# Altium PCB PCB_v4.PcbDoc (part 2 of 7) (continued)
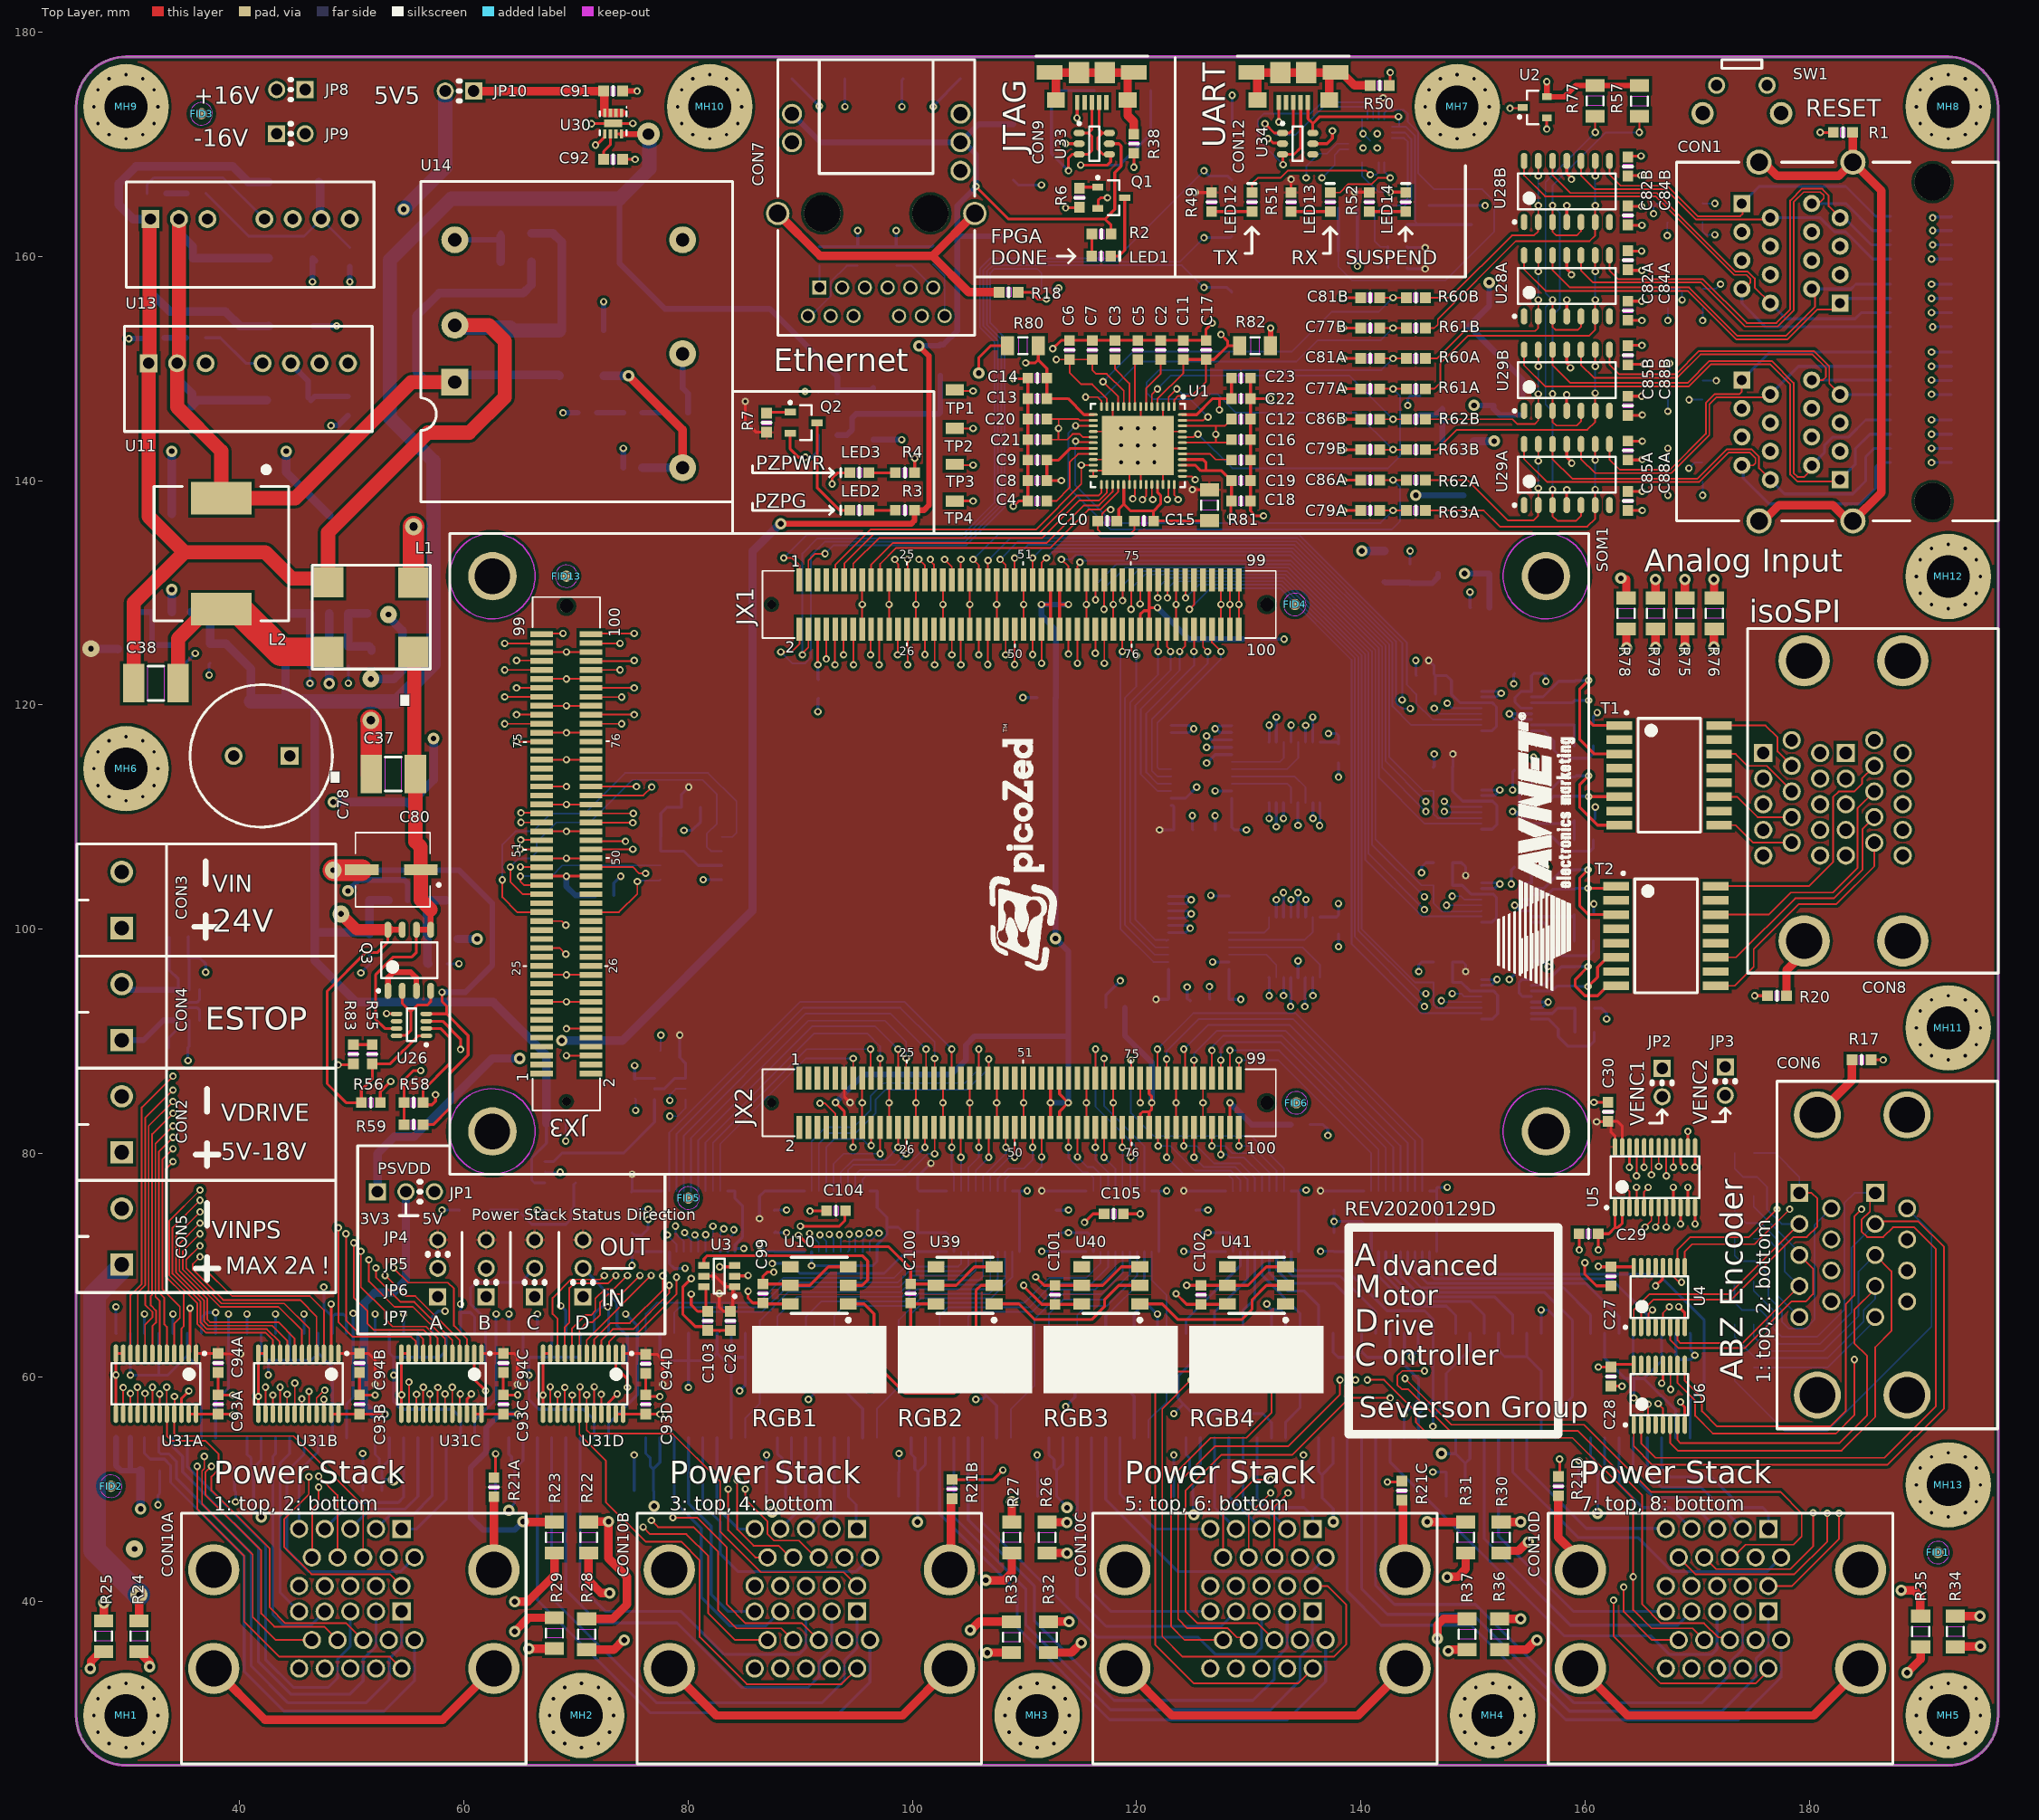
[diagram p0: Top Layer view]
## Part data
C1 C51 C52 C53 C54 C55 C56 C61 C62 C63 C64: Supplier Part Number 1=1276-1192-6-ND, Supplier 1=Digi-Key
C2 C3 C4 C8 C13 C18 C22 C83 C87 C89 C90 C104 C105 C106: Supplier Part Number 1=1276-1119-6-ND, Supplier 1=Digi-Key
C5 C26 C43 C45 C57 C58 C59 C60 C66 C67 C69 C70 C72A C72B C72C C72D C72E C72F C75A C75B C75C C75D C75E C75F C82A C82B C84A C84B C85A C85B C88A C88B C91 C103: Supplier Part Number 1=1276-6524-6-ND, Supplier 1=Digi-Key
C6 C7 C9 C10 C11 C12 C14 C15 C16 C17 C19 C20 C21 C23 C24 C25 C27 C28 C29 C30 C31 C32 C33 C34 C65 C68 C71A C71B C71C C71D C71E C71F C73A C73B C73C C73D C73E C73F C74A C74B C74C C74D C74E C74F C76A C76B C76C C76D C76E C76F C92 C93A C93B C93C C93D C93E C93F C94A C94B C94C C94D C94E C94F C95 C96 C97A C97B C97C C97D C98A C98B C98C C98D C99 C100 C101 C102 C107: Supplier Part Number 1=1276-1012-6-ND, Supplier 1=Digi-Key
C35 C36 C41 C42 C47 C48: Supplier Part Number 1=709-1046-6-ND, Supplier 1=Digi-Key
C37 C38 C40 C46 C49: Supplier Part Number 1=445-3919-6-ND, Supplier 1=Digi-Key
C39 C44 C50: Supplier Part Number 1=445-9015-6-ND, Supplier 1=Digi-Key
C77A C77B C79A C79B C81A C81B C86A C86B: Supplier Part Number 1=478-1548-6-ND, Supplier 1=Digi-Key
C78: "Polarized Capacitor (Radial)", Supplier Part Number 1=493-12786-1-ND, Supplier 1=Digi-Key
C80: "Polarized Capacitor (Radial)", Supplier Part Number 1=493-2203-6-ND, Supplier 1=Digi-Key
CON1: "CONN MOD JACK 8P8C R/A SHIELDED", Supplier Part Number 1=RJSAE538004-ND, Supplier 1=Digi-Key
CON2 CON3 CON4 CON5: Supplier Part Number 1=277-1667-ND, Supplier 1=Digi-Key
CON6: "CONN D-SUB RCPT 9POS R/A SLDR", Supplier Part Number 1=L17H2220131-ND, Supplier 1=Digi-Key
CON7: Supplier Part Number 1=380-1110-ND, Supplier 1=Digi-Key
CON8 CON10A CON10B CON10C CON10D: "CONN D-SUB RCPT/RCPT 15/15POS RA", Supplier Part Number 1=NOR1832-ND, Supplier 1=Digi-Key
CON9 CON12: "CONN RCPT MICRO USB TYPE AB", Supplier Part Number 1=A97799TR-ND, Supplier 1=Digi-Key
CON11: "MOD PROGRAMMING JTAG-SMT2-NC", Supplier Part Number 1=1286-1192-ND, Supplier 1=Digi-Key
JP1 JP4 JP5 JP6 JP7: Supplier Part Number 1=732-5316-ND, Supplier 1=Digi-Key
JP2 JP3 JP8 JP9 JP10: Supplier Part Number 1=732-5315-ND, Supplier 1=Digi-Key
L1: "CMC 450UH 6.5A 2LN TH", Supplier Part Number 1=732-2215-6-ND, Supplier 1=Digi-Key
L2: "FIXED IND 220UH 1.8A 300 MOHM", Supplier Part Number 1=732-1696-1-ND, Supplier 1=Digi-Key
LED1 LED14: Supplier Part Number 1=160-1448-6-ND, Supplier 1=Digi-Key
LED2 LED12: Supplier Part Number 1=160-1447-6-ND, Supplier 1=Digi-Key
LED3 LED13: Supplier Part Number 1=160-1446-6-ND, Supplier 1=Digi-Key
MH1 MH2 MH3 MH4 MH5 MH6 MH7 MH8 MH9 MH10 MH11 MH12 MH13: "MOUNTING HOLE"
Q1 Q2: Supplier Part Number 1=FDV301NCT-ND, Supplier 1=Digi-Key
Q3: library part SI4946CDY-T1-GE3, "MOSFET N-CHAN DUAL 60V SO-8", Supplier Part Number 1=SI4946CDY-T1-GE3DKR-ND, Supplier 1=Digi-Key
R1 R17 R18 R20 R21A R21B R21C R21D R38 R50: Supplier Part Number 1=P0.0GDKR-ND, Supplier 1=Digi-Key
R2 R3 R4 R49 R51 R52: Supplier Part Number 1=311-470LDCT-ND, Supplier 1=Digi-Key
R5 R6 R7 R11 R12 R13 R14 R15 R16 R48 R60A R60B R61A R61B R62A R62B R63A R63B: Supplier Part Number 1=YAG3561DKR-ND, Supplier 1=Digi-Key
R8 R39 R40 R41 R42 R43 R44 R45 R53 R54: Supplier Part Number 1=P10.0KHCT-ND, Supplier 1=Digi-Key
R9A R9B R9C R9D R10A R10B R10C R10D: Supplier Part Number 1=311-2.80KHRCT-ND, Supplier 1=Digi-Key
R19A R19B R19C R19D: Supplier Part Number 1=311-1.20KHRCT-ND, Supplier 1=Digi-Key
R22 R23 R24 R25 R26 R27 R28 R29 R30 R31 R32 R33 R34 R35 R36 R37 R46 R47 R57 R64 R65 R70 R71 R72 R73 R74 R75 R76 R77 R78 R79 R80 R81 R82: Supplier Part Number 1=311-0.0ERCT-ND, Supplier 1=Digi-Key
R55 R83: Supplier Part Number 1=541-5.90MHCT-ND, Supplier 1=Digi-Key
R56 R59: Supplier Part Number 1=311-178KHRCT-ND, Supplier 1=Digi-Key
R58: Supplier Part Number 1=311-121KHRCT-ND, Supplier 1=Digi-Key
R66 R67 R68 R69: Supplier Part Number 1=311-120HRCT-ND, Supplier 1=Digi-Key
R84 R85 R86 R87 R88 R89 R90 R91: Supplier Part Number 1=311-100KLDCT-ND, Supplier 1=Digi-Key
SOM1: library part PicoZed_SOM, "PicoZed SOM Carrier Footprint"
SW1: "SWITCH TACTILE SPST-NO 0.05A 24V", Supplier Part Number 1=450-1662-ND, Supplier 1=Digi-Key
T1 T2: "XFRMR MAGNETIC 1PORT 1:1 10/100", Supplier Part Number 1=553-1536-1-ND, Supplier 1=Digi-Key
TP1 TP2 TP3 TP4: Supplier Part Number 1=A106145CT-ND, Supplier 1=Digi-Key
U1: "IC ADC 14BIT 1.5MSPS SAR 52QFN - 14 Bit Analog to Digital Converter 8 Input 4 SAR 52-QFN (7x8)", Supplier Part Number 1=LTC2320CUKG-14#PBF-ND, Supplier 1=Digi-Key
U2: "Series Voltage Reference IC ±0.2% 25mA SOT-23-3", Supplier Part Number 1=REF3020AIDBZTDKR-ND, Supplier 1=Digi-Key
U3 U12: "TXRX XLATING DUAL 3ST 6TSSOP", Supplier Part Number 1=1727-4560-1-ND, Supplier 1=Digi-Key
U4 U6 U7: "IC RCVR RS422 QUAD DIFF 16TSSOP", Supplier Part Number 1=296-30088-1-ND, Supplier 1=Digi-Key
U5 U24A U24B U24C U24D U24E U24F: library part SN74LVC8T245PWR, "IC BUS TRANSCVR 8BIT 24TSSOP", Supplier Part Number 1=296-18593-1-ND, Supplier 1=Digi-Key
U8: "IC DRIVER 4/0 16TSSOP", Supplier Part Number 1=296-30087-1-ND, Supplier 1=Digi-Key
U9A U9B U9C U9D: "IC INTERFACE SPECIALIZED 16MSOP", Supplier Part Number 1=LTC6820IMS#TRPBFCT-ND, Supplier 1=Digi-Key
U10 U39 U40 U41: "LED RGB 5050 SMD", Supplier Part Number 1=1830-1107-1-ND, Supplier 1=Digi-Key
U11 U13: "Recom RS6", Supplier Part Number 1=945-2987-ND, Supplier 1=Digi-Key
U14: library part "DCDC Converter SHHD003A0A41Z", "DC DC CONVERTER 5V 15W", Supplier Part Number 1=555-1312-ND, Supplier 1=Digi-Key
U15 U20: "IC REG LINEAR 5V 3A 5DDPAK", Supplier Part Number 1=LT1529CQ-5#PBF-ND, Supplier 1=Digi-Key
U16: "IC REG LINEAR 1.8V 600MA SOT25", Supplier Part Number 1=AP2112K-1.8TRG1DICT-ND, Supplier 1=Digi-Key
U17: "IC REG LINEAR 3.3V 1A SOT223", Supplier Part Number 1=AP2114H-3.3TRG1DICT-ND, Supplier 1=Digi-Key
U18: "IC REG LINEAR 15V 500MA DPAK", Supplier Part Number 1=MC78M15CDTRKGOSCT-ND, Supplier 1=Digi-Key
U19: "IC REG LINEAR -15V 500MA DPAK", Supplier Part Number 1=MC79M15CDTRKGOSCT-ND, Supplier 1=Digi-Key
U21: "IC REG LINEAR 1.8V 3A 5DDPAK", Supplier 1=Digi-Key, Supplier Part Number 1=LT1764EQ-1.8#PBF-ND
U22: "IC USB TO UART BRIDGE QFN24", Supplier Part Number 1=336-5888-1-ND, Supplier 1=Digi-Key
U23A U23B U23C U23D U23E U23F U25A U25B U25C U25D U25E U25F: "IC MOSFET DVR QUAD AND 16SOIC", Supplier Part Number 1=TC4468COE-ND, Supplier 1=Digi-Key
U26: library part LTC4365CTS8#TRMPBF, "IC OVERVOLTAGE PROT TSOT23-8", Supplier Part Number 1=LTC4365CTS8#TRMPBFCT-ND, Supplier 1=Digi-Key
U27: "IC EEPROM 128K SPI 20MHZ 8SOIC", Supplier Part Number 1=CAT25128VI-GT3OSCT-ND, Supplier 1=Digi-Key
U28A U28B U29A U29B: "IC OPAMP DIFF 150KHZ 14SOIC", Supplier Part Number 1=INA2143UA-ND, Supplier 1=Digi-Key
U30: "IC LOAD SWITCH 6A 8WSON", Supplier Part Number 1=296-34943-1-ND, Supplier 1=Digi-Key
U31A U31B U31C U31D U31E U31F: "IC BUS TRANSCVR 8BIT 24TSSOP", Supplier Part Number 1=296-18593-6-ND, Supplier 1=Digi-Key
U32 U33 U34: "TVS DIODE 5.5V 10V 6TSOP", Supplier Part Number 1=NUP4114HMR6T1GOSCT-ND, Supplier 1=Digi-Key
U35 U36 U37 U38: "TVS DIODE 12V 19V 8SO", Supplier Part Number 1=1655-1701-1-ND, Supplier 1=Digi-Key

## Via types
v1: diameter 0.66, hole 0.356, Top Layer to Bottom Layer, tented both sides, 808 vias
v2: diameter 1.016, hole 0.508, Top Layer to Bottom Layer, tented both sides, 72 vias
v3: diameter 0.66, hole 0.343, Top Layer to Bottom Layer, tented both sides, 7 vias
v4: diameter 1.524, hole 0.508, Top Layer to Bottom Layer, tented both sides, 7 vias
v5: diameter 1.524, hole 0.762, Top Layer to Bottom Layer, tented both sides, 2 vias
v6: diameter 2.032, hole 1.016, Top Layer to Bottom Layer, tented both sides, 1 vias

## Nets (pads, with @x,y where several pads share a name; then routed paths per layer and width w, separated by ;. In a path a pad name is that pad's centre, name@x,y a point inside that pad or via, vN(x,y) a via of type N, cw(c..) or ccw(c..) an arc to the next point about the centre after c; other vN are vias at no path point)
1.8V: C26.1 C30.1 C43.1 C74A.2 C74B.2 C74C.2 C74D.2 C74E.2 C74F.2 C94A.1 C94B.1 C94C.1 C94D.1 C94E.1 C94F.1 C97A.2 C97B.2 C97C.2 C97D.2 C107.2 JP4.3 JP5.3 JP6.3 JP7.3 R7.2 R9A.2 R9B.2 R9C.2 R9D.2 R49.2 R51.2 R52.2 R53.1 R54.1 R73.1 R81.1 SOM1.JX2-11 U3.1 U3.5 U5.23 U5.24 U9A.1 U9A.6 U9B.1 U9B.6 U9C.1 U9C.6 U9D.1 U9D.6 U12.1 U12.5 U22.5 U24A.1 U24A.2 U24B.1 U24B.2 U24C.1 U24C.2 U24D.1 U24D.2 U24E.1 U24E.2 U24F.1 U24F.2 U27.3 U27.7 U27.8 U31A.1 U31B.1 U31C.1 U31D.1 U31E.1 U31F.1 U31F.2 | length 159.6
  Top Layer w0.254: U31A.1@36.095,62.136 C94A.1@38.069,62.136 38.102,62.103 v1(40.085,62.103) ; U31B.1@48.795,62.136 C94B.1@50.681,62.136 51.478,62.136 52.07,61.544 v1(52.07,59.37) ; U31C.1@61.555,62.136 C94C.1@63.508,62.136 64.483,62.136 64.77,61.849 v1(64.77,59.37) ; U31D.1@74.195,62.136 76.136,62.136 C94D.1@76.208,62.064 77.216,62.064 77.724,61.556 v1(77.724,59.37) ; U3.5@81.396,69.035 82.416,69.035 83.366,68.085 U3.1@84.146,68.085 83.973,67.912 83.973,66.093 C26.1@83.767,65.886 83.165,65.886 82.771,66.279 v1(82.771,67.485) ; v1(85.09,147.066) 85.09,145.288 86.067,144.311 R7.2@86.995,144.311 ; SOM1.JX2-11@93.918,86.696 93.918,85.036 v1(94.441,84.513) ; v1(124.968,139.192) 126.47,139.192 R81.1@126.492,139.17 ; v1(125.23,165.699) 126.561,165.699 126.619,165.757 R49.2@126.677,165.699 ; R51.2@133.774,165.699 133.731,165.742 133.774,165.786 v1(133.774,166.878) ; v1(139.446,165.735) 140.716,165.735 R52.2@140.752,165.699 ; v1(161.036,82.804) 162.004,82.804 C30.1@162.043,82.843 ; U5.24@162.668,80.551 162.668,81.531 162.305,81.894 162.305,82.581 C30.1@162.043,82.843 ; U5.23@163.318,80.551 163.318,82.427 162.902,82.843 C30.1@162.043,82.843
  Bottom Layer w0.152: U22.5@141.593,172.232 141.593,173.063 141.986,173.456 v1(141.986,174.153)
  Bottom Layer w0.254: C74F.2@74.936,76.561 C74F.2@74.989,76.614 ; v1(74.989,78.133) C74F.2@74.989,76.614 ; U12.5@77.005,85.736 77.033,85.763 77.886,85.763 78.808,86.686 U12.1@79.755,86.686 79.755,88.032 79.255,88.532 C43.1@79.255,89.182 79.248,89.19 v1(79.248,90.529) ; U24F.2@77.652,76.614 U24F.1@77.002,76.614 C74F.2@74.989,76.614 ; v3(80.033,112.656) 79.405,112.028 C107.2@79.405,110.871 78.118,110.871 77.555,110.308 77.555,108.238 U27.8@77.53,108.213 U27.7@77.53,106.943 79.62,106.943 80.89,105.673 U27.3@82.98,105.673 ; v1(86.36,74.168) 86.36,76.151 86.823,76.614 C74E.2@87.689,76.614 U24E.1@89.702,76.614 U24E.2@90.352,76.614 ; C74D.2@100.454,76.792 100.454,77.899 v1(101.651,79.096) ; C74D.2@100.594,76.614 U24D.1@102.402,76.614 U24D.2@103.052,76.614 ; v1(111.54,76.641) 112.808,76.641 C74C.2@112.835,76.614 U24C.1@114.848,76.614 U24C.2@115.498,76.614 ; v1(121.729,93.726) 122.825,93.726 C94F.1@122.852,93.753 U31F.1@122.852,95.766 U31F.2@122.852,96.416 ; v1(122.047,108.839) 123.292,108.839 C94E.1@123.309,108.856 123.309,110.948 123.241,111.015 U31E.1@123.077,111.015 ; v1(124.206,76.641) 125.254,76.641 C74B.2@125.281,76.614 U24B.1@127.294,76.614 U24B.2@127.944,76.614 ; v1(136.398,76.641) 137.59,76.641 C74A.2@137.616,76.614 U24A.1@139.629,76.614 U24A.2@140.279,76.614 ; R53.1@144.11,158.968 144.194,158.884 v1(145.732,158.884) ; R54.1@144.11,160.853 144.181,160.782 v1(145.732,160.782) ; v1(146.05,123.952) 146.535,123.467 146.535,122.72 C97A.2@146.646,122.609 ; R9A.2@146.646,120.943 C97A.2@146.646,122.609 ; v1(148.209,115.611) 148.209,114.464 C97B.2@148.17,114.425 R9B.2@148.17,112.315 149.085,111.4 U9B.6@150.771,111.4 151.754,111.4 152.127,111.027 152.127,109.308 151.719,108.9 U9B.1@150.771,108.9 ; v1(149.352,96.205) 149.352,96.807 149.11,97.049 C97D.2@148.17,97.049 R9D.2@148.17,95.247 148.952,95.247 149.723,94.476 U9D.6@150.771,94.476 151.829,94.476 152.202,94.103 152.202,92.424 151.754,91.976 U9D.1@150.771,91.976 ; v1(149.352,104.775) 149.352,105.537 148.976,105.913 C97C.2@148.17,105.913 R9C.2@148.17,103.899 149.037,103.899 149.822,103.115 U9C.6@150.771,103.115 151.793,103.115 152.093,102.814 152.093,100.996 151.711,100.615 U9C.1@150.771,100.615 ; U9A.1@150.771,117.694 151.719,117.694 152.093,118.068 152.093,119.819 151.719,120.194 U9A.6@150.771,120.194 148.831,120.194 148.082,120.943 148.082,122.174 147.647,122.609 C97A.2@146.646,122.609
  Bottom Layer w0.762: v4(26.718,125.008) 26.738,124.988 29.108,124.988 R73.1@29.128,124.968
3.3V: CON7.14 CON7.16 CON11.9 CON11.11 JP1.1 R2.1 R3.1 R70.1 U33.5 | length 181.7
  Top Layer w0.254: v1(105.664,166.243) 108.585,163.322 117.182,163.322 ; U33.5@117.568,170.053 118.408,170.053 118.618,169.843 118.618,168.046 118.049,167.476 118.049,164.189 117.182,163.322 ; R2.1@117.716,161.993 117.716,162.788 117.182,163.322
  Top Layer w0.508: v2(88.265,136.144) 99.902,136.144 100.178,136.42 R3.1@100.178,137.35 101.034,137.35 101.473,137.789 101.473,151.13 v2(100.584,152.019)
  Int3 (Sign) w0.762: v2(64.969,88.454) 66.569,90.054 v2(68.71,90.054)
  Bottom Layer w0.508: CON7.14@89.256,172.72 91.796,170.18 CON7.16@104.292,170.18 ; v2(100.584,152.019) 100.603,152.038 102.403,152.038 R70.1@102.489,152.124 102.764,152.124 103.991,153.351 103.991,156.21 ; 103.994,156.213 103.991,156.21 ; v1(105.664,166.243) 105.664,169.111 104.713,170.063 104.41,170.063 CON7.16@104.292,170.18 ; v1@105.694,166.213 103.991,164.51 103.991,161.801 ; CON11.9@108.995,161.801 103.991,161.801 ; CON11.11@108.995,171.801 105.913,171.801 CON7.16@104.292,170.18 ; 103.991,156.21 103.991,161.801
  Bottom Layer w0.762: JP1.1@52.276,76.561 52.276,79.962 53.805,81.491 55.565,81.491 62.528,88.454 v2(64.969,88.454) ; v2(68.71,90.054) 74.146,90.054 85.734,101.643 85.734,133.682 88.196,136.144 v2(88.265,136.144)
5.5V: C51.1 C53.1 C55.1 C61.1 C63.1 U15.4 U15.5 U16.1 U17.3 U20.4 U20.5 U21.1 U21.2 U30.7 U30.8 | length 214.8
  Top Layer w0.254: U30.7@73.553,170.91 U30.8@74.053,170.91
  Top Layer w0.508: U30.8@74.053,170.91 v6(76.451,170.91)
  Bottom Layer w0.254: U16.1@67.205,77.354 66.283,77.354 66.04,77.597 66.04,79.585 67.349,80.894 C53.1@67.349,82.677
  Bottom Layer w0.508: 73.863,165.151 73.863,159.385 77.927,155.321 87.273,155.321 93.306,149.288 C55.1@93.306,147.869 C55.1@93.313,147.876 ; C55.1@93.505,148.068 96.32,148.068 U17.3@96.516,148.264
  Bottom Layer w0.762: U21.2@35.646,128.27 U21.1@37.348,128.27 C63.1@37.348,125.437 37.355,125.444 38.754,125.444 40.996,123.202 40.996,120.294 ; 44.128,120.294 44.079,120.343 44.079,124.343 45.046,125.31 C61.1@46.275,125.31 U20.4@46.275,128.143 U20.5@44.573,128.143 ; 46.685,120.294 46.685,99.726 ; U15.4@53.271,102.548 U15.5@51.57,102.548 C51.1@51.57,99.588 51.476,99.682 46.728,99.682 46.685,99.726 ; C53.1@67.349,82.677 67.349,88.734 62.611,93.472 50.39,93.472 46.685,97.177 46.685,99.726
  Bottom Layer w1.27: 40.996,120.294 44.128,120.294 46.685,120.294 53.97,120.294 57.277,123.601 57.277,141.732 53.391,145.618 53.391,159.664 58.877,165.151 73.863,165.151 76.53,167.818 76.53,170.83 v6(76.451,170.91)
5.5VICL: C91.2 JP10.1 U30.1 U30.2 U30.3 U30.4 | length 15.1
  Top Layer w0.762: JP10.1@60.864,174.752 C91.2@72.453,174.752 72.503,174.702 72.503,172.819 72.522,172.8 U30.4@72.553,172.8 U30.3@73.053,172.8 U30.2@73.553,172.8 U30.1@74.053,172.8
5.5VJMP: C47.2 C50.2 JP10.2 U14.6 | length 72.8
  Top Layer w0.762: v2(74.676,149.352) 79.502,144.526 U14.6@79.502,141.157
  Int3 (Sign) w1.27: v2(54.61,164.211) 54.61,146.685 60.138,141.157 U14.6@79.502,141.157
  Bottom Layer w0.762: C47.2@72.453,149.352 v2(74.676,149.352) ; C50.2@75.907,141.157 U14.6@79.502,141.157
  Bottom Layer w1.27: v2(54.61,164.211) 58.324,167.925 JP10.2@58.324,174.752
5V: C27.2 C28.2 C29.1 C45.1 C71A.1 C71B.1 C71C.1 C71D.1 C71E.1 C71F.1 C93E.1 C93F.1 C95.1 C96.1 C98A.2 C98B.2 C98C.2 C98D.2 C99.2 C100.2 C101.2 C102.2 C103.1 CON8.1A CON8.1B JP1.3 JP2.1 JP3.1 R5.1 R72.1 R80.1 U2.1 U3.6 U4.16 U5.1 U5.2 U6.16 U7.16 U8.16 U9A.9 U9A.12 U9B.9 U9B.12 U9C.9 U9C.12 U9D.9 U9D.12 U10.3 U10.5 U12.6 U24A.23 U24A.24 U24B.23 U24B.24 U24C.23 U24C.24 U24D.23 U24D.24 U24E.23 U24E.24 U24F.23 U24F.24 U31E.23 U31E.24 U31F.23 U31F.24 U32.5 U34.5 U39.3 U39.5 U40.3 U40.5 U41.3 U41.5 | length 169.4
  Top Layer w0.254: v1(80.264,67.437) 80.264,66.463 80.841,65.886 C103.1@81.735,65.886 81.569,66.051 81.569,67.912 U3.6@81.396,68.085 ; v1(87.63,69.391) 87.038,69.391 86.663,69.015 C99.2@86.663,68.335 88.966,68.335 U10.5@89.089,68.212 90.852,68.212 92.502,69.862 U10.3@94.289,69.862 ; v1(89.839,72.684) 90.866,71.657 97.883,71.657 99.845,69.695 C100.2@99.845,68.335 101.966,68.335 U39.5@102.089,68.212 103.899,68.212 105.549,69.862 U39.3@107.289,69.862 ; v2(105.918,149.587) 105.918,150.968 106.981,152.031 R80.1@108.48,152.031 ; v1(110.998,68.961) 111.747,68.212 C101.2@112.723,68.212 U40.5@115.089,68.212 116.98,68.212 118.63,69.862 U40.3@120.289,69.862 U40.3@120.539,69.862 ; v1(124.467,68.212) C102.2@125.747,68.212 U41.5@128.089,68.212 129.934,68.212 131.584,69.862 U41.3@133.289,69.862 ; U34.5@135.716,170.053 136.989,170.053 137.466,170.53 v1(137.466,171.194) ; v1(156.588,171.362) U2.1@156.588,172.34 ; v1(161.188,60.927) C28.2@162.305,60.927 162.538,61.16 U6.16@164.348,61.16 ; v1(161.188,69.902) 161.223,69.867 C27.2@162.305,69.867 U4.16@164.348,69.867 ; v1(161.188,71.374) 161.188,72.796 C29.1@161.168,72.817 162.118,72.817 162.668,73.366 ; U5.1@162.668,75.151 162.668,73.366 ; U5.2@163.318,75.151 163.318,73.735 162.949,73.366 162.668,73.366
  Bottom Layer w0.254: v1(35.372,88.265) R5.1@35.372,89.408 35.472,89.508 U32.5@35.472,91.868 ; v1(74.989,69.985) C71F.1@74.989,71.214 U24F.24@77.002,71.214 U24F.23@77.652,71.214 ; v1(75.219,87.82) 75.219,86.615 C45.1@75.248,86.586 75.348,86.686 U12.6@77.005,86.686 ; v1(86.36,71.755) 86.845,71.27 87.633,71.27 C71E.1@87.689,71.214 U24E.24@89.702,71.214 U24E.23@90.352,71.214 ; v1(87.503,70.161) 89.06,70.161 89.943,69.278 97.481,69.278 99.417,71.214 C71D.1@100.454,71.214 102.336,71.214 102.369,71.247 U24D.24@102.402,71.214 U24D.23@103.052,71.214 ; v1(111.54,71.247) 112.802,71.247 C71C.1@112.835,71.214 U24C.24@114.848,71.214 U24C.23@115.498,71.214 ; v1(124.206,71.247) 124.239,71.214 C71B.1@125.281,71.214 U24B.24@127.294,71.214 U24B.23@127.944,71.214 ; U31F.23@128.252,96.416 U31F.24@128.252,95.766 C93F.1@128.252,93.753 128.278,93.726 v1(129.286,93.726) ; U31E.23@128.477,111.665 U31E.24@128.477,111.015 128.477,109.088 C93E.1@128.709,108.856 128.726,108.839 v1(129.794,108.839) ; U8.16@136.361,101.066 137.835,101.066 C95.1@138.008,101.239 137.999,101.248 v1(137.999,102.266) ; U7.16@136.361,116.673 137.844,116.673 C96.1@137.999,116.518 138.008,116.527 138.008,117.249 137.823,117.435 137.116,117.435 v1(137.111,117.44) ; v1(136.398,71.247) 137.583,71.247 C71A.1@137.616,71.214 U24A.24@139.629,71.214 U24A.23@140.279,71.214 ; U9D.12@155.221,93.976 155.212,93.985 154.415,93.985 154.12,94.279 154.12,95.247 154.341,95.467 155.212,95.467 U9D.9@155.221,95.476 155.221,96.955 C98D.2@155.421,97.155 155.444,97.132 156.224,97.132 v1(156.709,96.647) ; U9C.12@155.221,102.615 155.212,102.623 154.311,102.623 154.12,102.814 154.12,103.899 154.336,104.115 U9C.9@155.221,104.115 155.221,105.337 C98C.2@155.421,105.537 v1(156.508,105.537) ; U9B.12@155.221,110.9 154.388,110.9 154.159,111.129 154.159,112.141 154.409,112.391 155.212,112.391 U9B.9@155.221,112.4 155.221,113.973 C98B.2@155.421,114.173 155.404,114.189 v1(155.404,115.316) ; U9A.12@155.221,119.694 155.212,119.702 154.299,119.702 153.75,120.252 153.75,120.661 154.274,121.185 155.212,121.185 U9A.9@155.221,121.194 155.221,122.609 C98A.2@155.421,122.809 156.238,122.809 156.508,122.539 v1(156.508,122.1)
  Bottom Layer w0.762: v4(51.689,122.308) 53.728,122.308 54.496,123.076 R72.1@54.496,124.841 54.496,126.61 53.261,127.846 v4(53.261,128.052)
+15V: CON1.3A CON1.3B CON1.3C CON1.3D R71.1 R75.1 R78.1 | length 133.2
  Top Layer w0.762: R78.1@163.66,126.768 163.682,126.747 163.682,125.116 v2(163.703,125.095) ; v2(168.91,125.095) R75.1@168.909,126.768
  Int4 (PWR) w0.762: v2(140.081,133.731) 148.717,125.095 v2(163.703,125.095) 165.227,123.571 167.455,123.571 168.91,125.026 v2(168.91,125.095) 170.434,123.571 173.355,123.571 176.53,126.746 176.53,131.405 ; CON1.3A@173.99,146.431 172.085,144.526 ; CON1.3B@173.99,162.179 170.485,158.674 170.485,155.968 171.74,154.713 171.74,152.055 170.485,150.8 170.485,146.188 172.085,144.588 172.085,144.526 ; CON1.3C@182.753,142.621 185.166,142.621 ; CON1.3D@182.753,158.369 184.658,158.369 186.436,156.591 186.436,143.891 185.166,142.621 ; 172.085,144.526 172.085,135.85 176.53,131.405 ; 176.53,131.405 183.729,131.405 186.436,134.112 186.436,141.351 185.166,142.621
  Bottom Layer w0.762: v2(140.081,133.731) 140.092,133.72 142.102,133.72 R71.1@142.113,133.709
+15VA: C82A.2 C85A.2 R75.2 U28A.11 U29A.11 | length 54.4
  Top Layer w0.254: U29A.11@158.369,143.256 158.369,142.086 158.807,141.649 v1(158.807,141.554) ; U28A.11@158.369,160.097 158.369,158.884 158.787,158.465 v1(158.787,158.369) ; C85A.2@163.83,143.535 163.855,143.51 v1(165.1,143.51) ; C82A.2@163.83,160.51 163.868,160.472 v1(165.044,160.472)
  Top Layer w0.762: R75.2@168.91,129.519 v2(168.91,131.191)
  Int2 (Sign) w0.254: v1(165.044,160.472) 166.746,158.77 166.746,145.156 v1(165.1,143.51) 166.624,141.986 166.624,133.477 v2(168.91,131.191)
  Int3 (Sign) w0.254: v1(158.787,158.369) 160.89,160.472 v1(165.044,160.472) ; v1(158.807,141.554) 160.763,143.51 v1(165.1,143.51)
+15VB: C82B.2 C85B.2 R78.2 U28B.11 U29B.11 | length 62.8
  Top Layer w0.254: U29B.11@158.369,151.677 158.369,150.49 158.7,150.159 v1(158.7,150.063) ; U28B.11@158.369,168.518 158.369,167.393 158.787,166.974 v1(158.787,166.878) ; C85B.2@163.83,152.023 163.871,152.064 v1(165.073,152.064) ; C82B.2@163.83,168.871 163.909,168.95 v1(164.989,168.95)
  Top Layer w0.762: v2(163.195,131.291) 163.682,131.17 163.682,129.539 R78.2@163.66,129.518
  Int2 (Sign) w0.254: v2(163.195,131.291) 162.941,131.545 162.941,149.932 v1(165.073,152.064) 162.941,154.195 162.941,166.902 v1(164.989,168.95)
  Int3 (Sign) w0.254: v1(158.7,150.063) 160.701,152.064 v1(165.073,152.064) ; v1(158.787,166.878) 160.859,168.95 v1(164.989,168.95)
+16V: C57.2 JP8.1 U18.1 | length 144.5
  Int3 (Sign) w0.762: JP8.1@45.823,174.876 52.859,174.876 60.667,167.068 80.328,167.068 87.689,159.707 87.689,141.73 93.345,136.074 93.345,129.39 95.307,127.428 144.982,127.428 v2(149.253,131.699)
  Bottom Layer w0.508: v2(149.253,131.699) 151.442,131.699 U18.1@151.458,131.683 151.472,131.669 C57.2@151.472,128.651
-15V: CON1.5A CON1.5B CON1.5C CON1.5D R74.1 R76.1 R79.1 | length 124.5
  Top Layer w0.762: v2(166.285,125.116) R79.1@166.285,126.768 ; v2(171.489,125.156) 171.492,125.158 171.492,126.726 R76.1@171.534,126.768
  Int2 (Sign) w0.762: v2(151.892,143.522) 151.892,138.815 154.817,135.89 158.115,135.89 160.655,133.35 160.655,130.175 162.687,128.143 164.592,128.143 166.285,126.45 ; v2(166.285,125.116) 166.285,126.45 ; CON1.5A@173.99,143.891 172.085,143.891 ; CON1.5B@173.99,159.639 171.24,159.639 170.485,158.884 170.485,156.237 171.74,154.982 171.74,152.055 170.485,150.8 170.485,145.491 172.085,143.891 ; CON1.5C@182.753,145.161 185.415,145.161 185.42,145.156 ; CON1.5D@182.753,160.909 182.899,160.763 184.24,160.763 185.42,159.583 185.42,145.156 ; 166.285,126.45 170.195,126.45 v2(171.489,125.156) 174.71,128.377 174.71,133.773 ; 172.085,143.891 172.085,136.398 174.71,133.773 ; 174.71,133.773 184.709,133.773 186.269,135.333 186.269,144.307 185.42,145.156
  Bottom Layer w0.762: R74.1@150.092,143.51 150.098,143.516 151.886,143.516 v2(151.892,143.522)
-15VA: C84A.1 C88A.1 R76.2 U28A.4 U29A.4 | length 52.5
  Top Layer w0.254: v1(158.367,139.192) 158.366,139.19 158.366,137.809 U29A.4@158.369,137.806 ; U28A.4@158.369,154.647 v1(158.369,156.116) ; C88A.1@163.83,137.337 v1(165.1,137.337) ; C84A.1@163.83,154.312 163.855,154.287 v1(165.073,154.287)
  Top Layer w0.762: v2(171.489,131.191) 171.512,131.169 171.512,129.54 R76.2@171.534,129.518
  Int2 (Sign) w0.254: v1(165.073,154.287) 166.285,153.075 166.285,145.789 164.307,143.812 164.307,138.13 v1(165.1,137.337) 165.1,133.667 168.465,130.302 170.6,130.302 v2(171.489,131.191)
  Int3 (Sign) w0.254: v1(158.367,139.192) 160.221,137.337 v1(165.1,137.337) ; v1(158.369,156.116) 160.198,154.287 v1(165.073,154.287)
-15VB: C84B.1 C88B.1 R79.2 U28B.4 U29B.4 | length 58
  Top Layer w0.254: v1(158.362,147.659) 158.362,146.233 U29B.4@158.369,146.227 ; U28B.4@158.369,163.068 v1(158.369,164.533) ; C88B.1@163.83,145.825 165.073,145.825 v1(165.1,145.852) ; C84B.1@163.83,162.8 163.853,162.777 v1(165.073,162.777)
  Top Layer w0.762: R79.2@166.285,129.518 v2(166.285,131.191)
  Int2 (Sign) w0.254: v1(165.073,162.777) 163.703,161.407 163.703,154.432 165.682,152.453 165.682,151.811 163.703,149.832 163.703,147.249 v1(165.1,145.852) 163.703,144.455 163.703,133.773 v2(166.285,131.191)
  Int3 (Sign) w0.254: v1(158.362,147.659) 160.169,145.852 v1(165.1,145.852) ; v1(158.369,164.533) 160.125,162.777 v1(165.073,162.777)
-16V: C59.1 JP9.2 U19.4 | length 184.2
  Int3 (Sign) w0.762: JP9.2@45.823,170.942 54.271,170.942 59.718,165.495 79.667,165.495 85.979,159.183 85.979,141.216 90.932,136.263 90.932,129.327 94.545,125.714 131.278,125.714 132.242,124.749 134.09,124.749 135.501,126.16 148.385,126.16 153.25,131.025 153.25,155.872 v2(151.447,157.675)
  Bottom Layer w0.508: v2(151.447,157.675) 151.447,155.579 U19.4@149.554,153.686 149.754,153.686 154.432,149.008 C59.1@154.432,147.556
ADC_1V8: C10.1 C15.1 R81.2 U1.31 U1.37 | length 15.1
  Top Layer w0.254: C10.1@118.235,136.398 118.408,136.571 118.408,137.46 118.855,137.907 ; U1.31@118.855,139.675 U1.31@118.855,139.654 118.855,137.907 ; U1.37@121.855,139.675 121.855,138.963 122.135,138.683 122.135,137.911 121.511,137.287 ; R81.2@126.492,136.42 121.533,136.42 C15.1@121.511,136.398 121.511,137.287 ; 118.855,137.907 119.476,137.287 121.511,137.287
ADC_5V: C8.1 C9.1 C13.1 C14.1 C18.1 C19.1 C22.1 C23.1 R80.2 U1.15 U1.21 U1.43 U1.44 U1.52 | length 77.3
  Top Layer w0.254: v1(110.109,150.495) 110.954,150.495 111.23,150.771 ; R80.2@111.23,152.031 111.23,150.771 ; v1(113.284,140.004) 112.151,140.004 112.074,140.081 C8.1@111.997,140.004 C9.1@111.997,141.832 113.034,141.832 114.082,142.879 U1.21@116.13,142.879 U1.21@116.156,142.879 ; U1.15@116.156,145.879 U1.15@116.13,145.879 115.313,145.879 113.877,147.315 C13.1@111.997,147.315 C14.1@111.997,149.143 111.997,150.004 111.23,150.771 ; U1.43@124.055,141.379 125.23,141.379 125.73,140.879 126.195,140.879 ; U1.44@124.055,141.879 U1.44@124.08,141.879 125.923,141.879 126.195,141.608 126.195,140.879 ; U1.52@124.055,145.879 U1.52@124.08,145.879 125.348,145.879 126.784,147.315 127.381,147.315 ; v1(127.381,146.304) 127.381,147.315 ; v1(128.397,136.779) 128.397,138.112 C18.1@128.461,138.176 C19.1@128.461,140.004 127.586,140.879 126.195,140.879 ; C23.1@128.461,149.143 C22.1@128.461,147.315 127.381,147.315
  Int4 (PWR) w0.254: v1(110.109,150.495) 110.109,143.179 v1(113.284,140.004) 113.284,137.795 114.3,136.779 v1(128.397,136.779) 128.397,145.288 v1(127.381,146.304)
ADC_CLKOUT: SOM1.JX1-23 TP3.1 U1.33 | length 45.2
  Top Layer w0.152: v1(98.425,132.969) 98.425,132.845 98.718,132.552 SOM1.JX1-23@98.718,131.146 ; TP3.1@103.772,141.451 103.844,141.379 v1(105.41,141.379) ; U1.33@119.855,139.675 U1.33@119.855,139.654 119.855,138.726 119.65,138.521 v1(119.65,138.383) 119.808,138.383 v1@119.872,138.319
  Int2 (Sign) w0.152: v1(98.425,132.969) 102.311,136.855 118.799,136.855 119.65,137.706 v1(119.65,138.383) 107.389,138.383 105.41,140.362 v1(105.41,141.379)
ADC_CNV: SOM1.JX1-9 TP1.1 U1.24 | length 44.2
  Top Layer w0.152: SOM1.JX1-9@93.118,131.146 93.118,132.49 96.264,135.636 111.013,135.636 115.061,139.684 v1(115.061,141.379) U1.24@116.156,141.379 ; TP1.1@103.772,148.082 103.858,147.996 v1(105.41,147.996)
  Int2 (Sign) w0.152: v1(105.41,147.996) 105.41,146.177 110.208,141.379 v1(115.061,141.379)
ADC_IN1: C79A.1 R63A.1 U1.20 | length 38.2
  Top Layer w0.152: v1(114.554,143.51) 114.62,143.444 116.09,143.444 U1.20@116.156,143.379 ; C79A.1@141.676,137.337 v1(142.867,137.337) R63A.1@144.057,137.337
  Bottom Layer w0.152: v1(114.554,143.51) 114.502,143.458 114.502,139.605 117.887,136.22 141.75,136.22 v1(142.867,137.337)
ADC_IN2: C86A.1 R62A.1 U1.17 | length 45.1
  Top Layer w0.152: v1(114.554,144.893) 116.142,144.893 U1.17@116.156,144.879 ; C86A.1@141.676,140.048 v1(142.867,140.048) R62A.1@144.057,140.048
  Bottom Layer w0.152: v1(114.554,144.893) 113.919,144.258 113.919,139.389 117.672,135.636 142.748,135.636 143.51,136.398 143.51,139.405 v1(142.867,140.048)
ADC_IN3: C77B.1 R61B.1 U1.14 | length 34.4
  Top Layer w0.152: v1(115.443,147.447) 116.529,147.447 116.855,147.121 U1.14@116.855,146.583 ; C77B.1@141.676,153.605 v1(142.867,153.605) R61B.1@144.057,153.605
  Bottom Layer w0.152: v1(115.443,147.447) 117.094,147.447 120.269,150.622 134.259,150.622 136.164,152.527 141.788,152.527 v1(142.867,153.605)
ADC_IN4: C81B.1 R60B.1 U1.11 | length 34.2
  Top Layer w0.152: v1(117.002,148.827) 118.355,147.474 U1.11@118.355,146.604 U1.11@118.355,146.583 ; C81B.1@141.676,156.317 v1(142.867,156.317) R60B.1@144.057,156.317
  Bottom Layer w0.152: v1(117.002,148.827) 119.686,151.511 133.858,151.511 137.414,155.067 141.617,155.067 v1(142.867,156.317)